# Altium PCB iMX6 Rex_V1I1_PCB.PcbDoc (part 5 of 8)
Units mm, origin at the board's own origin, x right, y up, seen from the top; angles counter-clockwise.
Board outline 70 x 40 mm, 12 copper layers (L1, L2, L3, L4, L5 (PWR), L6 (PWR), L7 (PWR), L8 (PWR), L9, L10, L11, L12), stack 1.566 mm thick; 473 components, 409 nets, 2294 pads, 1880 vias.
Unrouted connection lines stored in the file: 7.
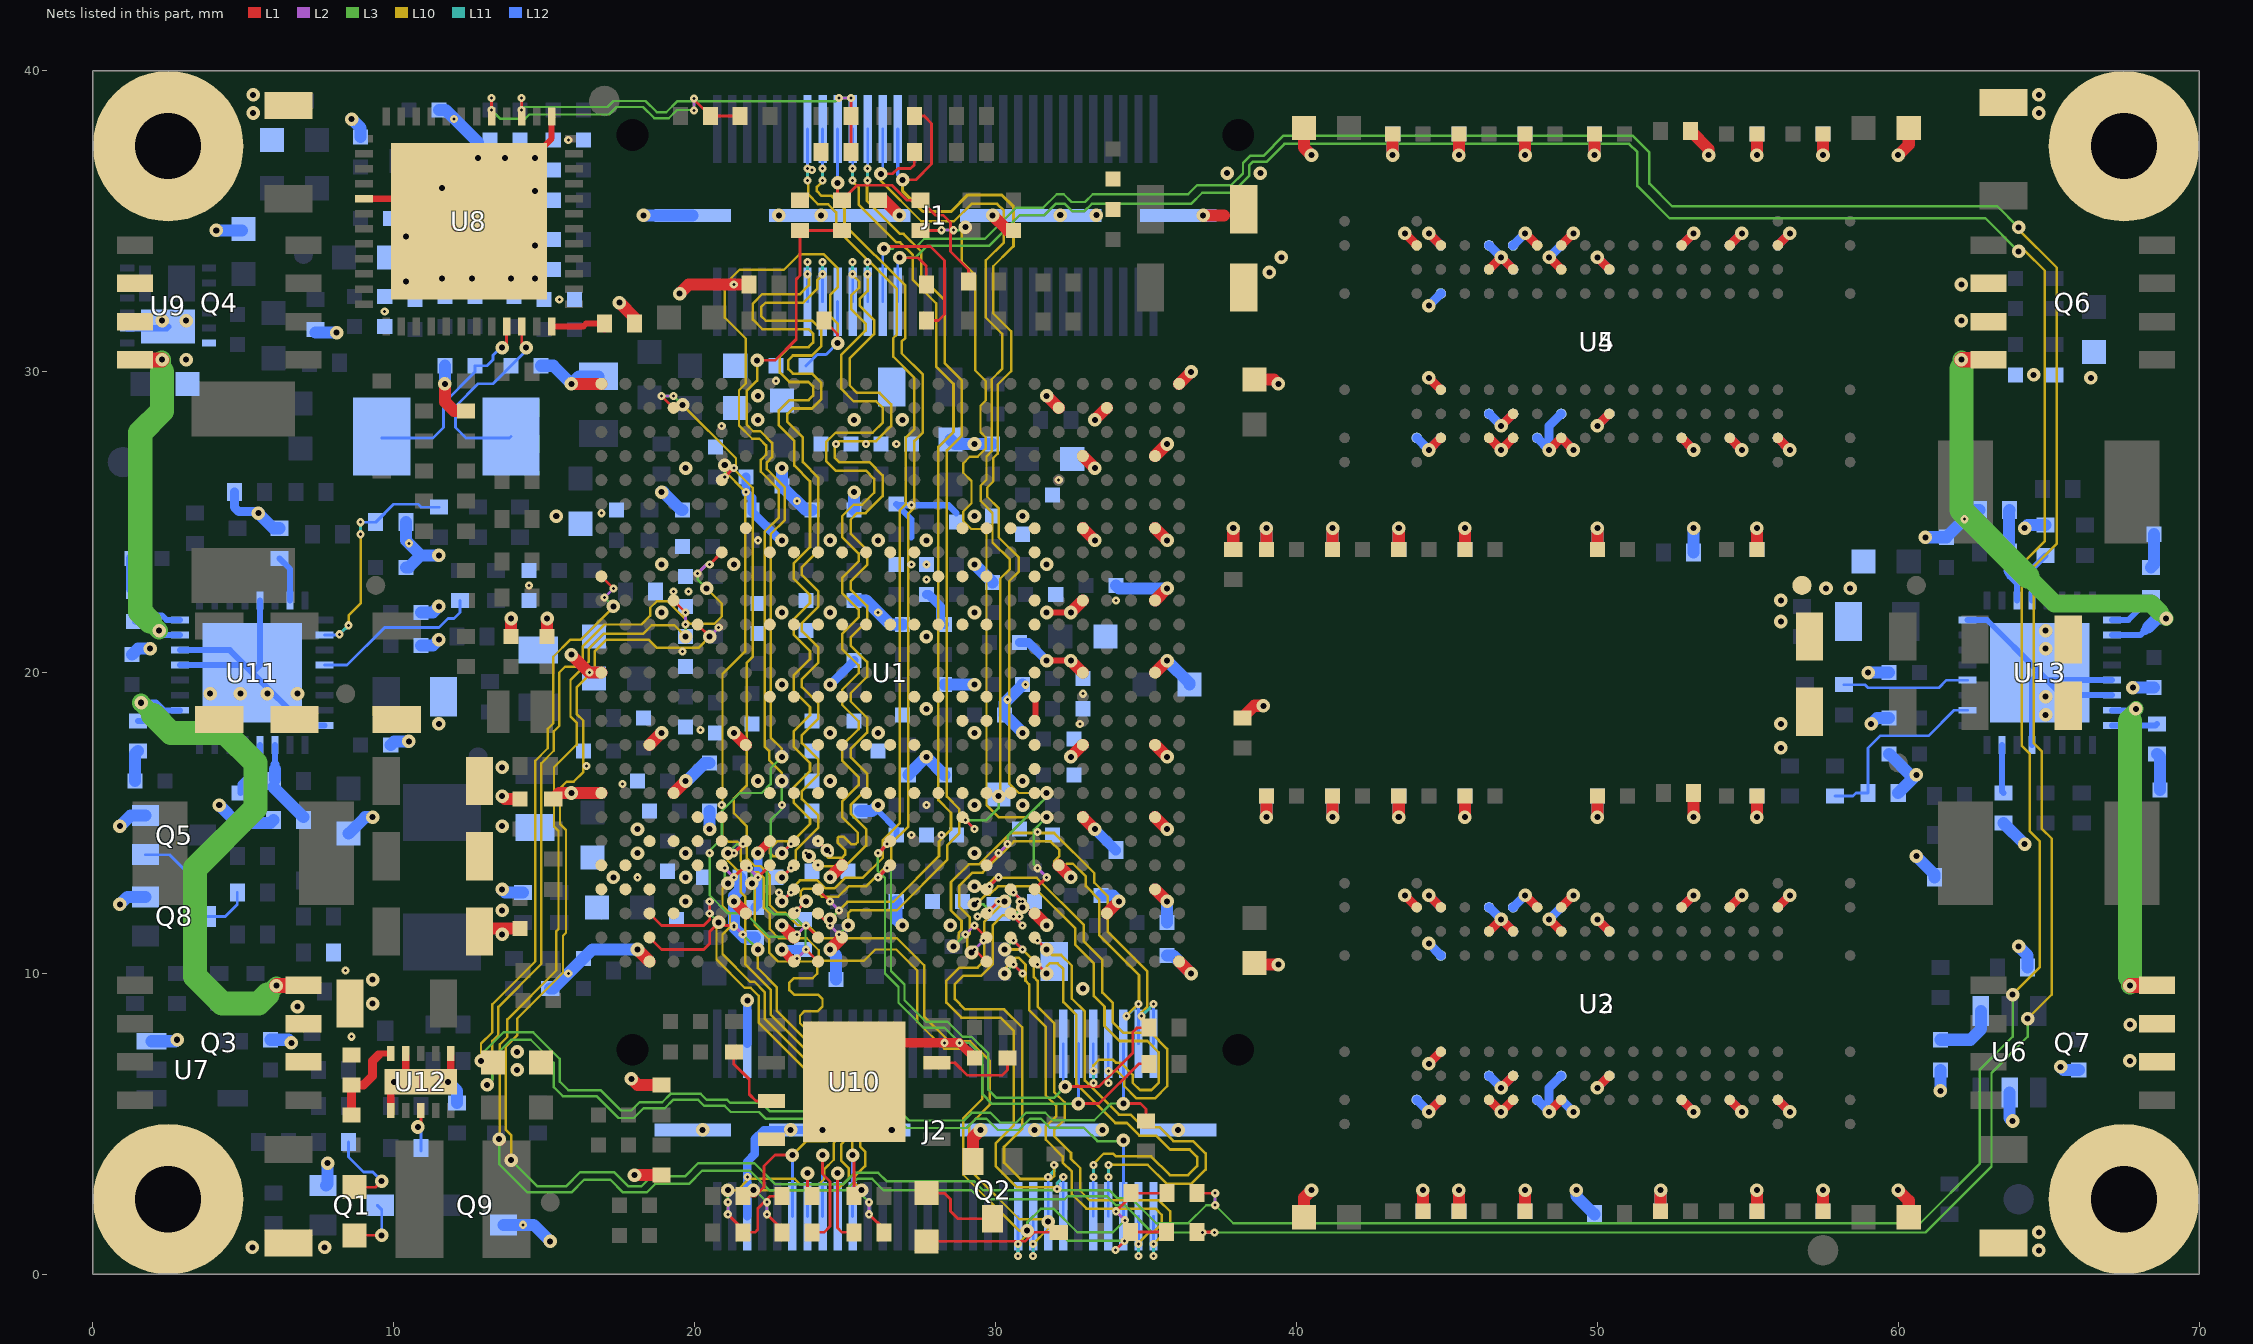
[diagram p15: the nets of this part, all layers, seen from the top]

## Via types
v1: diameter 0.45, hole 0.2, L1 to L12, tented both sides, 761 vias
v2: diameter 0.27, hole 0.1, L1 to L2, 305 vias
v3: diameter 0.27, hole 0.1, L2 to L3, 290 vias
v4: diameter 0.45, hole 0.2, L3 to L10, 196 vias
v5: diameter 0.27, hole 0.1, L11 to L12, 185 vias
v6: diameter 0.27, hole 0.1, L10 to L11, 142 vias
v7: diameter 0.45, hole 0.2, L3 to L10, tented both sides, 1 vias

## Nets (pads, with @x,y where several pads share a name; then routed paths per layer and width w, separated by ;. In a path a pad name is that pad's centre, name@x,y a point inside that pad or via, vN(x,y) a via of type N, cw(c..) or ccw(c..) an arc to the next point about the centre after c; other vN are vias at no path point) (continued)
ETH_ISET: R84.1 U8.48 | length 1.9
  L1 w0.2: U8.48@15.25,31.51 16.3,31.51 16.39,31.6 R84.1@17,31.6 ; R84.1@16.89,31.51 R84.1@17,31.4
ETH_OSCI_25MHZ: C175.1 U8.46 Y3.2 | length 6.7
  L1 w0.093: U8.46@14.25,31.51 14.25,30.95 v1(14.4,30.8)
  L12 w0.093: Y3.2@13.9,27.85 13.85,27.8 12.4,27.8 12.05,28.15 12.05,28.85 12.8,29.6 13.3,29.6 C175.1@13.9,30.2 14.4,30.7 v1(14.4,30.8)
ETH_OSCO_25MHZ: C176.1 U8.45 Y3.1 | length 6.8
  L1 w0.093: v1@13.6,30.7 13.75,30.85 U8.45@13.75,31.51
  L12 w0.093: Y3.1@9.6,27.8 11.3,27.8 11.65,28.15 11.65,28.95 12.7,30 C176.1@12.7,30.2 13.1,30.2 13.3,30.4 13.3,30.55 13.55,30.8 v1(13.6,30.8)
FB1_2V5: R147.1 R150.2 U13.11 | length 3.1
  L12 w0.2: 63.7,23.3 63.7,23.2 63.95,22.95 U13.11@63.95,22.4
  L12 w0.3: 63.7,23.3 63.7,23.4
  L12 w0.4: 63.7,23.4 R147.1@63.7,24 63.675,24.025 63.675,25.375 R150.2@63.7,25.4
FB1_3V3: R123.1 R126.2 U11.11 | length 2.6
  L12 w0.2: 6.05,16.95 U11.11@6.05,17.6
  L12 w0.3: 6.05,16.8 6.05,16.95
  L12 w0.4: R123.1@6,16.2 R126.2@7,15.2 ; R123.1@6.05,16.45 6.05,16.8
FB_3V0_SNVS: R138.1 R139.2 U12.5 | length 3
  L1 w0.2: 9.5,7.3 9.55,7.35 U12.5@9.9,7.35
  L1 w0.3: R138.1@8.6,5.3 R139.2@8.6,6.3 9,6.3 9.3,6.6 9.3,7.1 9.5,7.3
GND: C1.2 C2.2 C3.2 C4.2 C5.2 C6.2 C7.2 C8.2 C9.2 C10.2 C11.2 C12.2 C13.2 C14.2 C15.2 C16.2 C17.2 C19.2 C20.2 C21.2 C22.2 C23.2 C24.2 C25.2 C26.2 C27.2 C28.2 C29.2 C30.2 C31.2 C32.2 C33.2 C34.2 C35.2 C36.2 C37.2 C38.2 C39.2 C40.2 C41.2 C42.2 C43.2 C44.2 C45.2 C46.2 C47.2 C48.2 C49.2 C50.2 C51.2 C52.2 C53.2 C54.2 C55.2 C56.2 C57.2 C58.2 C59.2 C60.2 C61.2 C62.2 C64.2 C68.2 C73.2 C74.1 C75.2 C76.2 C77.2 C78.2 C79.2 C80.2 C81.2 C82.2 C83.2 C84.2 C85.2 C86.2 C87.2 C88.2 C89.2 C90.2 C91.2 C92.2 C93.2 C94.2 C95.2 C96.2 C97.2 C98.2 C99.2 C100.2 C101.2 C102.2 C103.2 C104.2 C105.2 C106.2 C107.2 C108.2 C109.2 C110.2 C111.2 C112.2 C113.2 C114.2 C115.2 C116.2 C117.2 C118.2 C119.2 C120.2 C121.2 C122.2 C123.2 C124.2 C125.2 C126.2 C127.2 C128.2 C129.2 C130.2 C131.2 C132.2 C133.2 C134.2 C135.2 C136.2 C137.2 C138.2 C139.1 C140.2 C141.2 C142.2 C143.2 C144.2 C145.2 C146.2 C147.2 C148.2 C149.2 C150.2 C151.2 C152.2 C153.2 C154.2 C155.2 C156.2 C157.2 C158.2 C159.2 C160.2 C161.2 C162.2 C163.2 C164.2 C165.2 C166.2 C167.2 C168.2 C169.2 C170.2 C171.2 C172.2 C173.2 C174.2 C175.2 C176.2 C177.2 C178.2 C180.2 C181.2 C182.2 C183.2 C184.2 C185.2 C186.2 C187.2 C188.2 C189.2 C190.2 C191.2 C192.2 C193.2 C194.2 C195.2 C196.2 C197.2 C198.2 C199.2 C200.2 C201.2 C202.2 C203.2 C204.2 C205.2 C206.2 C207.2 C208.2 C209.2 C210.2 C213.2 C214.2 C215.2 C216.2 C217.2 C218.2 C219.2 C220.2 C221.2 C222.2 C223.2 C224.2 C225.2 C226.2 C227.2 C228.2 C229.2 C232.2 C233.2 C234.2 C235.2 C236.2 C237.2 C238.2 C239.2 C240.2 C241.2 C242.2 C243.2 C244.2 C245.2 C246.2 C247.2 C248.2 C249.2 J1.61 J1.62 J1.63 J1.64 J2.55 J2.56 J2.61 J2.62 J2.63 J2.64 MH1.1 MH2.1 MH3.1 MH4.1 Q1.2 Q2.2 Q3.2 Q3.3 Q4.2 Q4.3 Q5.2 Q6.2 Q6.3 Q7.2 Q7.3 Q8.2 Q9.2 R4.1 R5.1 R6.1 R7.1 R8.1 R9.1 R10.2 R12.1 R15.1 R16.1 R17.1 R20.1 R26.1 R30.1 R37.2 R56.1 R57.1 R58.1 R61.1 R67.1 R79.1 R84.2 R99.1 R101.1 R102.1 R124.2 R125.1 R126.1 R133.1 R136.1 R139.1 R143.1 R144.1 R148.2 R149.1 R150.1 R155.1 R158.1 TP10.1 U1.A4 U1.A5 U1.A8 U1.A13 U1.A25 U1.AA7 U1.AA10 U1.AA13 U1.AA16 U1.AA19 U1.AA22 U1.AB3 U1.AB24 U1.AD4 U1.AD7 U1.AD10 U1.AD13 U1.AD16 U1.AD19 U1.AD22 U1.AE1 U1.AE25 U1.B4 U1.B5 U1.C1 U1.C4 U1.C6 U1.C10 U1.D3 U1.D6 U1.D8 U1.E5 U1.E6 U1.E7 U1.F5 U1.F6 U1.F7 U1.F8 U1.G3 U1.G10 U1.G19 U1.H8 U1.H12 U1.H15 U1.H18 U1.J2 U1.J8 U1.J12 U1.J15 U1.J18 U1.K8 U1.K10 U1.K12 U1.K15 U1.K18 U1.L2 U1.L5 U1.L8 U1.L10 U1.L12 U1.L15 U1.L18 U1.M8 U1.M10 U1.M12 U1.M15 U1.M18 U1.N8 U1.N10 U1.N15 U1.N18 U1.P8 U1.P10 U1.P12 U1.P15 U1.P18 U1.R8 U1.R12 U1.R15 U1.R17 U1.T8 U1.T11 U1.T12 U1.T15 U1.T17 U1.T19 U1.U8 U1.U11 U1.U12 U1.U15 U1.U17 U1.U19 U1.V8 U1.V19 U1.W3 U1.W7 U1.W8 U1.W9 U1.W10 U1.W11 U1.W12 U1.W13 U1.W15 U1.W16 U1.W17 U1.W18 U1.W19 U1.Y5 U1.Y24 U2.A9 U2.B1 U2.B3 U2.B9 U2.D1 U2.D8 U2.E1 U2.E2 U2.E8 U2.F9 U2.G1 U2.G8 U2.G9 U2.J2 U2.J8 U2.M1 U2.M9 U2.P1 U2.P9 U2.T1 U2.T9 U3.A9 U3.B1 U3.B3 U3.B9 U3.D1 U3.D8 U3.E1 U3.E2 U3.E8 U3.F9 U3.G1 U3.G8 U3.G9 U3.J2 U3.J8 U3.M1 U3.M9 U3.P1 U3.P9 U3.T1 U3.T9 U4.A9 U4.B1 U4.B3 U4.B9 U4.D1 U4.D8 U4.E1 U4.E2 U4.E8 U4.F9 U4.G1 U4.G8 U4.G9 U4.J2 U4.J8 U4.M1 U4.M9 U4.P1 U4.P9 U4.T1 U4.T9 U5.A9 U5.B1 U5.B3 U5.B9 U5.D1 U5.D8 U5.E1 U5.E2 U5.E8 U5.F9 U5.G1 U5.G8 U5.G9 U5.J2 U5.J8 U5.M1 U5.M9 U5.P1 U5.P9 U5.T1 U5.T9 U6.2 U7.3 U8.13 U8.29 U8.49 U9.2 U9.12 U9.13 U10.4 U10.9 U11.8 U11.21 U11.22 U11.29 U11.33 U12.1 U12.4 U12.6 U12.11 U13.8 U13.21 U13.22 U13.29 U13.33 | length 250
  L1 w0.2: U8.29@9.01,35.75 U8.49@10.2,35.75 ; U8.49@14.65,37.15 15.25,37.75 U8.13@15.25,38.49 ; U1.W11@31.3,18.4 31.325,18.425 31.325,19.175 U1.W12@31.3,19.2 ; v1(31.7,20.4) v1(32.5,20.4) ; v1(31.7,22) v1(32.5,22)
  L1 w0.25: U12.6@9.9,5.35 9.9,6.3 v1(10,6.4) ; U12.11@10.4,6.2 U12.4@10.4,7.25 ; U12.11@11.9,6.4 U12.1@11.9,7.25
  L1 w0.3: U10.9@25.3,6.4 26.6,7.7 v2(28.8,7.7) C203.2@29.3,7.2 ; v1(43.6,12.6) U2.A9@44,12.2 ; v1(43.6,34.6) U4.A9@44,34.2 ; v1(44.4,5.4) U2.B1@44.8,5.8 ; v1(44.4,7) U2.B3@44.8,7.4 ; v1(44.4,12.6) U2.B9@44.8,12.2 ; v1(44.4,27.4) U4.B1@44.8,27.8 ; v1(44.4,29.8) U4.B3@44.8,29.4 ; v1(44.4,34.6) U4.B9@44.8,34.2 ; U2.D1@46.4,5.8 v1(46.8,5.4) U2.E1@47.2,5.8 ; U2.D8@46.4,11.4 v1(46.8,11.8) U2.E8@47.2,11.4 ; U4.D1@46.4,27.8 v1(46.8,27.4) U4.E1@47.2,27.8 ; U4.D8@46.4,33.4 v1(46.8,33.8) U4.E8@47.2,33.4 ; v1(46.8,6.2) U2.E2@47.2,6.6 ; v1(46.8,28.2) U4.E2@47.2,28.6 ; v1(47.6,12.6) U2.F9@48,12.2 ; v1(47.6,34.6) U4.F9@48,34.2 ; v1(48.4,5.4) U2.G1@48.8,5.8 ; v1(48.4,11.8) U2.G8@48.8,11.4 ; v1(48.4,27.4) U4.G1@48.8,27.8 ; v1(48.4,33.8) U4.G8@48.8,33.4 ; U2.G9@48.8,12.2 v1(49.2,12.6) ; U4.G1@48.8,27.8 v1(49.2,27.4) ; U4.G9@48.8,34.2 v1(49.2,34.6) ; v1(50,6.2) U2.J2@50.4,6.6 ; v1(50,11.8) U2.J8@50.4,11.4 ; v1(50,28.2) U4.J2@50.4,28.6 ; v1(50,33.8) U4.J8@50.4,33.4 ; U2.M1@52.8,5.8 v1(53.2,5.4) ; U2.M9@52.8,12.2 v1(53.2,12.6) ; U4.M1@52.8,27.8 v1(53.2,27.4) ; U4.M9@52.8,34.2 v1(53.2,34.6) ; U2.P1@54.4,5.8 v1(54.8,5.4) ; U2.P9@54.4,12.2 v1(54.8,12.6) ; U4.P1@54.4,27.8 v1(54.8,27.4) ; U4.P9@54.4,34.2 v1(54.8,34.6) ; U2.T1@56,5.8 v1(56.4,5.4) ; U2.T9@56,12.2 v1(56.4,12.6) ; U4.T1@56,27.8 v1(56.4,27.4) ; U4.T9@56,34.2 v1(56.4,34.6)
  L1 w0.4: v1(11.7,29.6) 11.7,29 12,28.7 R99.1@12.4,28.7 ; C215.2@13.2,11.5 C84.2@14.2,11.5 ; v1(13.6,15.9) 13.7,15.8 C83.2@14.2,15.8 ; C86.2@13.9,21.2 v1(13.9,21.8) ; C85.2@15.1,21.2 v1(15.1,21.8) ; R37.2@15.3,15.8 15.5,16 v1(15.9,16) U1.A8@16.9,16 ; v1(15.9,20.6) v2(16.5,20) U1.A13@16.9,20 ; v1@15.9,29.6 U1.A25@16.9,29.6 ; v1(17.5,32.3) 18,31.8 R84.2@18,31.6 ; v1(17.9,6.5) 18.1,6.3 R16.1@18.9,6.3 ; v1(18,3.3) R17.1@18.9,3.3 ; v1(18.1,10.8) U1.C1@18.5,10.4 ; U1.C10@18.5,17.6 v1(18.9,18) ; U1.D8@19.3,16 v1(19.7,16.4) ; v1(19.5,32.6) 19.8,32.9 v2(21.3,32.9) R143.1@21.8,32.9 ; v1(21.3,12.4) U1.G3@21.7,12 ; v1(21.3,18) U1.G10@21.7,17.6 ; v1(22.9,11.6) U1.J2@23.3,11.2 ; v1(24.5,10.8) U1.L2@24.9,11.2 ; v1(24.5,13.2) U1.L5@24.9,13.6 ; R144.1@26.1,35.7 26.3,35.7 v1(26.8,35.2) ; Q2.2@29.25,3.75 29.25,4.55 v1(29.5,4.8) ; v1(29.9,35.2) 30.4,34.7 C242.2@30.6,34.7 ; U1.W3@31.3,12 v1(31.7,11.6) ; v1(31.7,29.2) U1.Y24@32.1,28.8 ; U1.Y5@32.1,13.6 v1(32.5,13.2) ; v1(32.5,17.2) U1.AA10@32.9,17.6 ; v1(32.5,20.4) U1.AA13@32.9,20 ; v1(32.5,22) U1.AA16@32.9,22.4 ; U1.AA7@32.9,15.2 v1(33.3,14.8) ; U1.AA19@32.9,24.8 v1(33.3,24.4) ; U1.AA22@32.9,27.2 v1(33.3,26.8) ; v1(33.3,28.4) U1.AB24@33.7,28.8 ; U1.AB3@33.7,12 v1(34.1,12.4) ; U1.AD4@35.3,12.8 v1(35.7,12.4) ; U1.AD7@35.3,15.2 v1(35.7,14.8) ; U1.AD10@35.3,17.6 v1(35.7,17.2) ; U1.AD13@35.3,20 v1(35.7,20.4) ; U1.AD16@35.3,22.4 v1(35.7,22.8) ; U1.AD19@35.3,24.8 v1(35.7,24.4) ; U1.AD22@35.3,27.2 v1(35.7,27.6) ; U1.AE1@36.1,10.4 v1(36.5,10) ; U1.AE25@36.1,29.6 v1(36.5,30) ; v1(36.9,35.2) 37.6,35.2 ; R10.2@37.9,24.1 v1(37.9,24.8) ; R6.1@38.2,18.5 38.6,18.9 v1@38.8,18.9 ; C12.2@38.6,10.35 38.65,10.3 v1(39.4,10.3) ; C17.2@38.6,29.75 39.25,29.75 v1(39.4,29.6) ; v1(39,15.2) C26.2@39,15.9 ; C39.2@39,24.1 v1(39,24.8) ; C14.2@40.25,1.9 40.25,2.55 v1(40.5,2.8) ; C15.2@40.25,38.1 40.25,37.45 v1(40.5,37.2) ; v1(41.2,15.2) C24.2@41.2,15.9 ; C40.2@41.2,24.1 v1(41.2,24.8) ; v1(43.2,37.2) C36.2@43.2,37.9 ; v1(43.4,15.2) C25.2@43.4,15.9 ; C31.2@43.4,24.1 v1(43.4,24.8) ; C27.2@44.2,2.1 v1(44.2,2.8) ; C28.2@45.4,2.1 v1(45.4,2.8) ; v1(45.4,37.2) C37.2@45.4,37.9 ; v1(45.6,15.2) C23.2@45.6,15.9 ; C33.2@45.6,24.1 v1(45.6,24.8) ; C29.2@47.6,2.1 v1(47.6,2.8) ; v1(47.6,37.2) C34.2@47.6,37.9 ; v1(49.9,37.2) C8.2@49.9,37.9 ; v1(50,15.2) C3.2@50,15.9 ; C9.2@50,24.1 v1(50,24.8) ; C4.2@52.1,2.1 v1(52.1,2.8) ; R8.1@53.1,38 53.7,37.4 v1(53.7,37.2) ; v1(53.2,15.2) R4.1@53.2,16 ; C30.2@55.3,2.1 v1(55.3,2.8) ; v1(55.3,15.2) C22.2@55.3,15.9 ; C32.2@55.3,24.1 v1(55.3,24.8) ; v1(55.3,37.2) C38.2@55.3,37.9 ; C21.2@57.5,2.1 v1(57.5,2.8) ; v1(57.5,37.2) C35.2@57.5,37.9 ; v1(60,2.8) 60.35,2.45 C13.2@60.35,1.9 ; v1(60,37.2) 60.35,37.55 C16.2@60.35,38.1
  L12 w0.2: U11.21@2.9,20.25 U11.33@5.05,20.25 ; U11.22@2.9,20.75 4.55,20.75 U11.33@5.05,20.25 ; U11.29@5.55,22.4 5.55,20.25 U11.33@5.3,20 ; U11.8@7.7,18.25 7.05,18.25 U11.33@5.3,20 ; v1(26.1,15.6) 26.1,15.401 26.7,14.801 C107.2@26.7,14.6 ; U13.8@62.3,21.75 62.95,21.75 U13.33@64.7,20 ; U13.29@64.45,17.6 64.45,19.75 U13.33@64.7,20 ; U13.22@67.1,19.25 65.45,19.25 U13.33@64.95,19.75 ; U13.21@67.1,19.75 U13.33@64.95,19.75 ; U11.33@5.05,20.25 U11.33@5.3,20 ; U13.33@64.7,20 U13.33@64.95,19.75
  L12 w0.22: U9.2@1.14,31.45 2.448,31.45 U9.13@2.5,31.501 ; C130.2@26.7,25.6 C130.2@26.735,25.565 ; 27.2,24.5 27.2,25.1 C130.2@26.735,25.565 ; 28.7,25.3 28.435,25.565 C130.2@26.735,25.565
  L12 w0.28: J2.55@21.75,1.93 21.75,3.75 21.994,3.994 21.994,4.494 22.3,4.8 J2.63@24.825,4.8 ; J2.56@21.75,7.67 v1(21.75,9.108)
  L12 w0.3: R136.1@4.7,26 4.7,25.5 4.85,25.35 5.45,25.35 v1(5.5,25.3) ; C125.2@21.7,26.5 v5(21.7,26) 21.9,25.8 C122.2@21.9,25.4 21.9,25.346 22.846,24.4 v1(22.9,24.4) ; v1(24.5,19.6) C94.2@25.3,20.4 ; C113.2@27.7,22.6 27.772,22.6 28.175,22.197 28.175,21.725 C97.2@28.3,21.6 ; C117.2@30.8,21 31.1,21 v1(31.7,20.4) ; U3.A9@44,5.8 v1(44.4,5.4) U3.B9@44.8,5.8 ; U5.A9@44,27.8 v1(44.4,27.4) U5.B9@44.8,27.8 ; v1(44.4,11) U3.B3@44.8,10.6 ; v1(44.4,12.6) U3.B1@44.8,12.2 ; v1(44.4,32.2) U5.B3@44.8,32.6 ; v1(44.4,34.6) U5.B1@44.8,34.2 ; U3.D8@46.4,6.6 v1(46.8,6.2) U3.E8@47.2,6.6 ; U3.D1@46.4,12.2 U3.E2@47.2,11.4 ; U5.D8@46.4,28.6 v1(46.8,28.2) U5.E8@47.2,28.6 ; U5.D1@46.4,34.2 v1(46.8,33.8) U5.E2@47.2,33.4 ; U3.E1@47.2,12.2 v1(47.6,12.6) ; U5.E1@47.2,34.2 v1(47.6,34.6) ; U3.F9@48,5.8 v1(48.4,5.4) 48.4,6.2 U3.G8@48.8,6.6 ; U5.F9@48,27.8 v1(48.4,27.4) 48.4,28.2 U5.G8@48.8,28.6 ; v1(48.4,11.8) U3.G1@48.8,12.2 ; v1(48.4,33.8) U5.G1@48.8,34.2 ; U3.G9@48.8,5.8 v1(49.2,5.4) ; U5.G9@48.8,27.8 v1(49.2,27.4) ; v1(50,6.2) U3.J8@50.4,6.6 ; v1(50,11.8) U3.J2@50.4,11.4 ; v1(50,28.2) U5.J8@50.4,28.6 ; v1(50,33.8) U5.J2@50.4,33.4 ; U3.M9@52.8,5.8 v1(53.2,5.4) ; U3.M1@52.8,12.2 v1(53.2,12.6) ; U5.M9@52.8,27.8 v1(53.2,27.4) ; U5.M1@52.8,34.2 v1(53.2,34.6) ; U3.P9@54.4,5.8 v1(54.8,5.4) ; U3.P1@54.4,12.2 v1(54.8,12.6) ; U5.P9@54.4,27.8 v1(54.8,27.4) ; U5.P1@54.4,34.2 v1(54.8,34.6) ; U3.T9@56,5.8 v1(56.4,5.4) ; U3.T1@56,12.2 v1(56.4,12.6) ; U5.T9@56,27.8 v1(56.4,27.4) ; U5.T1@56,34.2 v1(56.4,34.6)
  L12 w0.35: v1(33.3,14.8) R7.1@34,14.1
  L12 w0.4: v1(0.9,12.3) 1.15,12.55 Q8.2@1.75,12.55 ; v1(0.9,14.9) 1.25,15.25 Q5.2@1.75,15.25 ; C206.2@1.3,20.6 1.5,20.8 v1(1.9,20.8) ; U7.3@1.95,7.75 2.75,7.75 v1(2.8,7.8) ; v1(4.1,34.7) C178.2@4.95,34.7 ; v1(4.2,15.6) R125.1@4.8,15 ; R125.1@4.9,15 5.9,15 R126.1@6,15.1 ; v1(5.5,25.3) 6,24.8 R124.2@6.2,24.8 ; C89.2@5.9,7.8 6.5,7.8 v1(6.6,7.7) ; R101.1@7.4,31.3 v1(8.1,31.3) ; Q1.2@7.75,2.95 7.8,3 v1(7.8,3.7) ; C204.2@8.5,14.65 9.05,15.2 v1(9.3,15.2) ; v1(8.6,38.4) 8.9,38.1 C184.2@8.9,37.8 ; C205.2@9.9,17.6 10.014,17.714 v1(10.5,17.714) ; C219.2@10.4,23.5 10.5,23.5 10.9,23.9 ; R133.1@10.4,25 10.4,24.4 10.9,23.9 ; C218.2@10.9,20.9 11.3,20.9 v1(11.5,21.1) ; C207.2@10.9,22 11.3,22 v1(11.5,22.2) ; v1(11.5,23.9) 10.9,23.9 ; C249.2@11.5,38.7 11.727,38.7 12.8,37.627 v1(12.8,37.1) ; v1(11.6,36.1) C186.2@12.3,35.4 ; v1(11.7,29.6) C176.2@11.7,30.2 ; v1(11.8,6.4) 12.1,6.1 R58.1@12.1,5.7 ; C186.2@12.35,35.4 C186.2@12.45,35.4 ; v1(13.6,12.8) 13.7,12.7 R79.1@14.3,12.7 ; Q9.2@13.65,1.65 14.65,1.65 v1(15.2,1.1) ; C175.2@14.9,30.2 15.3,30.2 v1(15.9,29.6) 16.15,29.85 C148.2@16.8,29.85 ; R15.1@15.2,9.5 15.3,9.5 C244.2@16.3,10.5 16.6,10.8 v1(18.1,10.8) ; v1(18.3,35.2) J1.64@19.935,35.2 ; v1(18.9,26) 18.958,26 19.558,25.4 C152.2@19.6,25.4 ; v1(19.7,16.4) 19.735,16.4 20.335,17 C139.1@20.5,17 ; v1(20.5,14.8) C143.2@20.5,15.4 ; C61.2@21.5,13.2 21.5,12.774 21.3,12.574 v1(21.3,12.4) v5(21.3,11.542) 21.642,11.2 R61.1@22,11.2 ; v1(22.9,26.8) C131.2@22.9,26.2 23.7,25.4 C134.2@23.9,25.4 ; v1(24.5,10.8) 24.7,10.6 C1.2@24.7,9.8 ; C124.2@25.3,22.4 25.7,22.4 26.5,21.6 C95.2@26.9,21.6 ; C133.2@25.3,25.4 v1(25.3,26) ; C90.2@25.5,15.4 25.9,15.4 v1(26.1,15.6) ; C76.2@26.7,12.4 26.7,11.8 v1(26.9,11.6) ; C116.2@27.1,16.6 v1(27.7,17.2) C115.2@28.3,16.6 ; C105.2@28.3,19.6 v1(29.3,19.6) ; C129.2@28.5,27.75 28.65,27.6 v1(29.3,27.6) C160.2@29.9,27.6 ; v1(29.3,23.6) C114.2@29.9,23 ; v1(30.9,18) C102.2@30.3,18.6 30.3,19 C112.2@30.9,19.6 ; C243.2@33.5,12.6 33.9,12.6 v1(34.1,12.4) ; C171.2@34,22.9 34.1,22.8 v1(35.7,22.8) ; C245.2@35.7,10.6 35.9,10.6 v1(36.5,10) ; C7.2@35.7,11.7 v1(35.7,12.4) ; v1(35.7,20.4) 36.45,19.65 C172.2@36.45,19.6 ; v1(39,15.2) C46.2@39,15.9 ; C60.2@39,24.1 v1(39,24.8) ; v1(41.2,15.2) C43.2@41.2,15.9 ; C51.2@41.2,24.1 v1(41.2,24.8) ; v1(43.2,37.2) C57.2@43.2,37.9 ; v1(43.4,15.2) C45.2@43.4,15.9 ; C53.2@43.4,24.1 v1(43.4,24.8) ; C47.2@44.2,2.1 v1(44.2,2.8) ; C49.2@45.4,2.1 v1(45.4,2.8) ; v1(45.4,37.2) C56.2@45.4,37.9 ; v1(45.6,15.2) C44.2@45.6,15.9 ; C52.2@45.6,24.1 v1(45.6,24.8) ; C48.2@47.6,2.1 v1(47.6,2.8) ; v1(47.6,37.2) C59.2@47.6,37.9 ; v1(49.3,2.8) 49.3,2.6 R5.1@49.9,2 ; v1(49.9,37.2) C10.2@49.9,37.9 ; v1(50,15.2) C5.2@50,15.9 ; C11.2@50,24.1 v1(50,24.8) ; C6.2@52.1,2.1 v1(52.1,2.8) ; R9.1@53.2,24 v1(53.2,24.8) ; C50.2@55.3,2.1 v1(55.3,2.8) ; v1(55.3,15.2) C42.2@55.3,15.9 ; C54.2@55.3,24.1 v1(55.3,24.8) ; v1(55.3,37.2) C58.2@55.3,37.9 ; C41.2@57.5,2.1 v1(57.5,2.8) ; v1(57.5,37.2) C55.2@57.5,37.9 ; v1(59,20) C237.2@59.7,20 ; v1(59.1,18.3) 59.3,18.5 C226.2@59.7,18.5 ; C238.2@59.7,17.3 60.4,16.6 v1(60.6,16.6) R155.1@60,16 ; v1(60.6,13.9) 61.2,13.3 R158.1@61.2,13.2 ; v1(60.9,24.5) C224.2@61.6,24.5 62.5,25.4 R150.1@62.7,25.4 ; v1(61.4,6.1) C88.2@61.4,6.8 ; R148.2@63.5,15 v1(64.2,14.3) ; U6.2@63.7,6.05 63.7,5.2 v1(63.8,5.1) ; v1(64,10.9) 64.3,10.6 R67.1@64.3,10.2 ; v1(64.2,24.8) 64.3,24.9 R149.1@64.9,24.9 ; v1(65.4,6.9) 65.5,6.8 C87.2@66,6.8 ; v1(67.8,19.5) C225.2@68.5,19.5
  other v1: 64.675,0.8 5.3,0.9 7.7,0.9 64.675,1.4 20.263,4.805 23.187,4.805 24.25,4.805 26.55,4.805 31.3,4.8 33.55,4.805 36.065,4.8 14.1,6.8 67.7,7.1 14.1,7.4 67.705,8.3 6.8,8.9 9.3,9 32.9,9.5 9.3,9.8 13.6,11.3 28.5,11.6 13.6,12.1 19.7,12.4 17.3,13.2 19.7,13.2 18.1,14 19.7,14 29.3,14 18.1,14.8 13.6,14.9 29.3,15.6 30.9,15.6 22.1,16.4 24.5,16.4 30.9,16.4 13.6,16.85 56.1,17.5 24.5,18 26.1,18 29.3,18 11.5,18.3 56.1,18.3 64.9,18.6 27.7,18.8 38.9,18.9 64.9,19.2 3.9,19.3 4.9,19.3 5.8,19.3 6.8,19.3 22.9,19.6 64.9,20.8 27.7,21.2 64.9,21.4 56.1,21.7 18.9,22 22.9,22 24.5,22 29.3,22 56.1,22.4 57.6,22.8 58.4,22.8 18.9,23.6 21.3,23.6 31.7,23.6 24.5,24.4 26.1,24.4 27.7,24.4 15.4,25.2 29.3,25.2 30.9,25.2 19.7,26.8 22.1,28.4 25.3,28.4 26.9,28.4 22.1,29.2 66.4,29.8 64.5,29.9 3.1,30.4 2.3,31.7 3.1,31.7 62.1,31.7 62.1,32.9 10.4,33 11.6,33.1 12.6,33.1 13.9,33.1 14.7,33.1 39.1,33.3 39.5,33.8 14.7,34.2 10.4,34.5 22.8,35.2 24.2,35.2 32.15,35.205 33.35,35.205 14.7,36 37.7,36.6 38.8,36.6 13.7,37.1 14.7,37.1 5.325,38.6 64.675,38.6 5.325,39.2 64.675,39.2
  other v2: 28.3,7.7 8.6,7.9 18.1,13.2 20.5,14 20.9,15.6 22.9,15.6 27.7,15.6 31,19.6 26.1,22 27.7,23.6 22.1,24.4 23.9,36.7
  other v5: 14.3,1.65 21.75,3.243 15.8,10 8.4,10.1 29.4,11.9 30.8,11.9 29.4,12.4 30.8,12.4 22.8,12.7 27.2,14.6 28.2,14.6 31.4,14.7 17.6,16.3 16.4,16.9 20.2,18.1 32.8,18.3 30.4,19.1 32.9,19.3 19.6,20.7 26.1,22 34,22.4 19.3,22.7 19.8,22.7 14.5,22.9 27.7,23.1 27.2,23.6 10.5,24.3 62.2,25.1 16.9,25.3 27.2,25.565 23.4,25.7 32.1,26.4 24.7,27.6 25.7,27.6 26.7,27.6 20.9,28.2 22.7,29.7 9.7,32 15.5,32.4 15.8,37.7 12,38.4
HDMI_CEC: R25.1 U1.W4 | length 27.5
  L1 w0.093: R25.1@27.6,34.7 28.195,34.7 v2(28.2,34.705) ; U1.W4@31.3,12.8 v2(31.7,13.2)
  L2 w0.1: v2(28.2,34.705) v3(28.6,34.705) ; v3(31.4,13.5) v2(31.7,13.2)
  L3 w0.08: v3(28.6,34.705) 28.9,34.705 v4(29,34.805) ; v3(31.4,13.5) 31.275,13.625 31.275,14.775 v4(31.7,15.2)
  L10 w0.08: v4(29,34.805) 28.875,34.68 28.875,33.665 29.325,33.215 29.325,30.045 29.675,29.695 29.675,29.045 29.5,28.87 29.5,28 29.675,27.825 29.675,27.445 29.405,27.175 29.145,27.175 28.925,26.955 28.925,26.645 29.2,26.37 29.2,25.63 28.925,25.355 28.925,25.045 29.195,24.775 29.525,24.775 29.7,24.6 29.7,15.6 30.1,15.2 v4(31.7,15.2)
HDMI_CEC_IN: J1.44 R22.1 R24.2 R25.2 | length 9
  L1 w0.093: v1(24.75,36.28) 24.75,35.85 R24.2@24.9,35.7 25.4,36.2 26.562,36.2 27.062,35.7 R25.2@27.5,35.7 27.995,35.205 28.25,35.205 28.5,34.955 28.5,34 29.1,33.4 R22.1@29.1,33
  L12 w0.093: v1(24.75,36.28) J1.44@24.75,38.07
HDMI_CLK_N: J1.45 U1.J5 | length 32.2
  L1 w0.09: v2(22.9,13.2) U1.J5@23.3,13.6
  L2 w0.1: v2(22.9,13.2) v3(23.2,13.5)
  L3 w0.085: v2(22.9,13.2) v3(23.2,13.5)
  L10 w0.085: v2(22.9,13.2) 23.363,13.663 23.363,14.103 24.114,14.854 24.114,15.252 23.566,15.8 23.566,16.066 24.114,16.614 24.114,17.112 23.566,17.66 23.566,17.926 24.114,18.474 24.114,18.972 23.566,19.52 23.566,19.786 24.114,20.334 24.114,20.832 23.566,21.38 23.566,21.646 24.114,22.194 24.114,22.692 23.566,23.24 23.566,23.506 24.114,24.054 24.114,26.476 23.595,26.995 23.595,27.817 23.08,28.332 23.08,28.598 23.262,28.78 23.9,28.78 24.214,29.094 24.214,29.626 23.9,29.94 23.262,29.94 23.112,30.09 23.112,30.39 23.262,30.54 23.9,30.54 24.214,30.854 24.214,31.386 23.9,31.7 22.362,31.7 22.212,31.85 22.212,32.15 22.362,32.3 23.616,32.3 24.08,32.764 24.08,33.046 24.25,33.216 v6(24.25,33.242)
  L11 w0.1: v6(24.25,33.242) v5(24.25,33.642)
  L12 w0.09: J1.45@24.25,32.33 v5(24.25,33.642)
  other v4: 22.9,13.2
HDMI_CLK_P: J1.47 U1.J6 | length 32.2
  L1 w0.09: v4(22.9,14) U1.J6@23.3,14.4
  L2 w0.1: v4(22.9,14) v3(23.2,14.3)
  L3 w0.085: v4(22.9,14) v3(23.2,14.3)
  L10 w0.085: v4(22.9,14) 22.8,13.9 22.6,13.9 22.5,14 22.5,14.15 22.75,14.4 23.264,14.4 23.834,14.97 23.834,15.136 23.286,15.684 23.286,16.182 23.834,16.73 23.834,16.996 23.286,17.544 23.286,18.042 23.834,18.59 23.834,18.856 23.286,19.404 23.286,19.902 23.834,20.45 23.834,20.716 23.286,21.264 23.286,21.762 23.834,22.31 23.834,22.576 23.286,23.124 23.286,23.622 23.834,24.17 23.834,26.36 23.315,26.879 23.315,27.701 22.8,28.216 22.8,28.714 23.146,29.06 23.784,29.06 23.934,29.21 23.934,29.51 23.784,29.66 23.146,29.66 22.832,29.974 22.832,30.506 23.146,30.82 23.784,30.82 23.934,30.97 23.934,31.27 23.784,31.42 22.246,31.42 21.932,31.734 21.932,32.266 22.246,32.58 23.5,32.58 23.8,32.88 23.8,33.192 v6(23.75,33.242)
  L11 w0.1: v6(23.75,33.242) v5(23.75,33.642)
  L12 w0.09: J1.47@23.75,32.33 v5(23.75,33.642)
  other v2: 22.9,14
HDMI_D0_N: J1.39 U1.K5 | length 32.1
  L1 w0.09: v2(23.7,14) v3(24.1,13.6)
  L2 w0.1: v2(23.7,14) v3(24.1,13.6)
  L3 w0.085: v4(23.8,13.9) v3(24.1,13.6)
  L10 w0.085: v4(23.8,13.9) 24.132,13.568 25.013,13.568 25.7,14.254 25.7,14.8 25.182,15.318 25.182,15.596 25.73,16.144 25.73,16.642 25.182,17.19 25.182,17.456 25.73,18.004 25.73,18.502 25.182,19.05 25.182,19.316 25.73,19.864 25.73,20.362 25.182,20.91 25.182,21.176 25.73,21.724 25.73,22.222 25.182,22.77 25.182,23.036 25.73,23.584 25.73,24.082 25.182,24.63 25.182,25.082 25.4,25.3 25.68,25.3 26.244,25.864 26.244,26.556 25.806,26.994 24.802,26.994 24.652,27.144 24.652,27.544 24.802,27.694 26.03,27.694 26.532,28.197 26.532,28.916 26.148,29.3 25.4,29.3 25.148,29.552 25.148,30.437 25.964,31.254 25.964,31.716 25.48,32.2 25.48,32.414 25.75,32.684 v6(25.75,33.242)
  L11 w0.1: v6(25.75,33.242) v5(25.75,33.642)
  L12 w0.09: J1.39@25.75,32.33 v5(25.75,33.642)
HDMI_D0_P: J1.41 U1.K6 | length 32.1
  L1 w0.09: v3(24.1,14.4) v2(24.5,14)
  L2 w0.1: v3(24.1,14.4) v2(24.5,14)
  L3 w0.085: v3(24.1,14.4) v4(24.4,14.1)
  L10 w0.085: v4(24.4,14.1) 24.4,13.898 24.45,13.848 24.897,13.848 25,13.95 25,14.1 24.75,14.35 24.75,14.5 24.8,14.55 24.95,14.55 25.2,14.3 25.35,14.3 25.42,14.37 25.42,14.684 24.902,15.202 24.902,15.712 25.45,16.26 25.45,16.526 24.902,17.074 24.902,17.572 25.45,18.12 25.45,18.386 24.902,18.934 24.902,19.432 25.45,19.98 25.45,20.246 24.902,20.794 24.902,21.292 25.45,21.84 25.45,22.106 24.902,22.654 24.902,23.152 25.45,23.7 25.45,23.966 24.902,24.514 24.902,25.198 25.284,25.58 25.564,25.58 25.964,25.98 25.964,26.44 25.69,26.714 24.686,26.714 24.372,27.028 24.372,27.66 24.686,27.974 25.914,27.974 26.252,28.312 26.252,28.8 26.032,29.02 25.284,29.02 24.868,29.437 24.868,30.553 25.684,31.37 25.684,31.6 25.2,32.084 25.2,32.53 25.47,32.8 25.47,32.996 25.25,33.216 v6(25.25,33.242)